# KiCad board motherboard.kicad_pcb (continued)
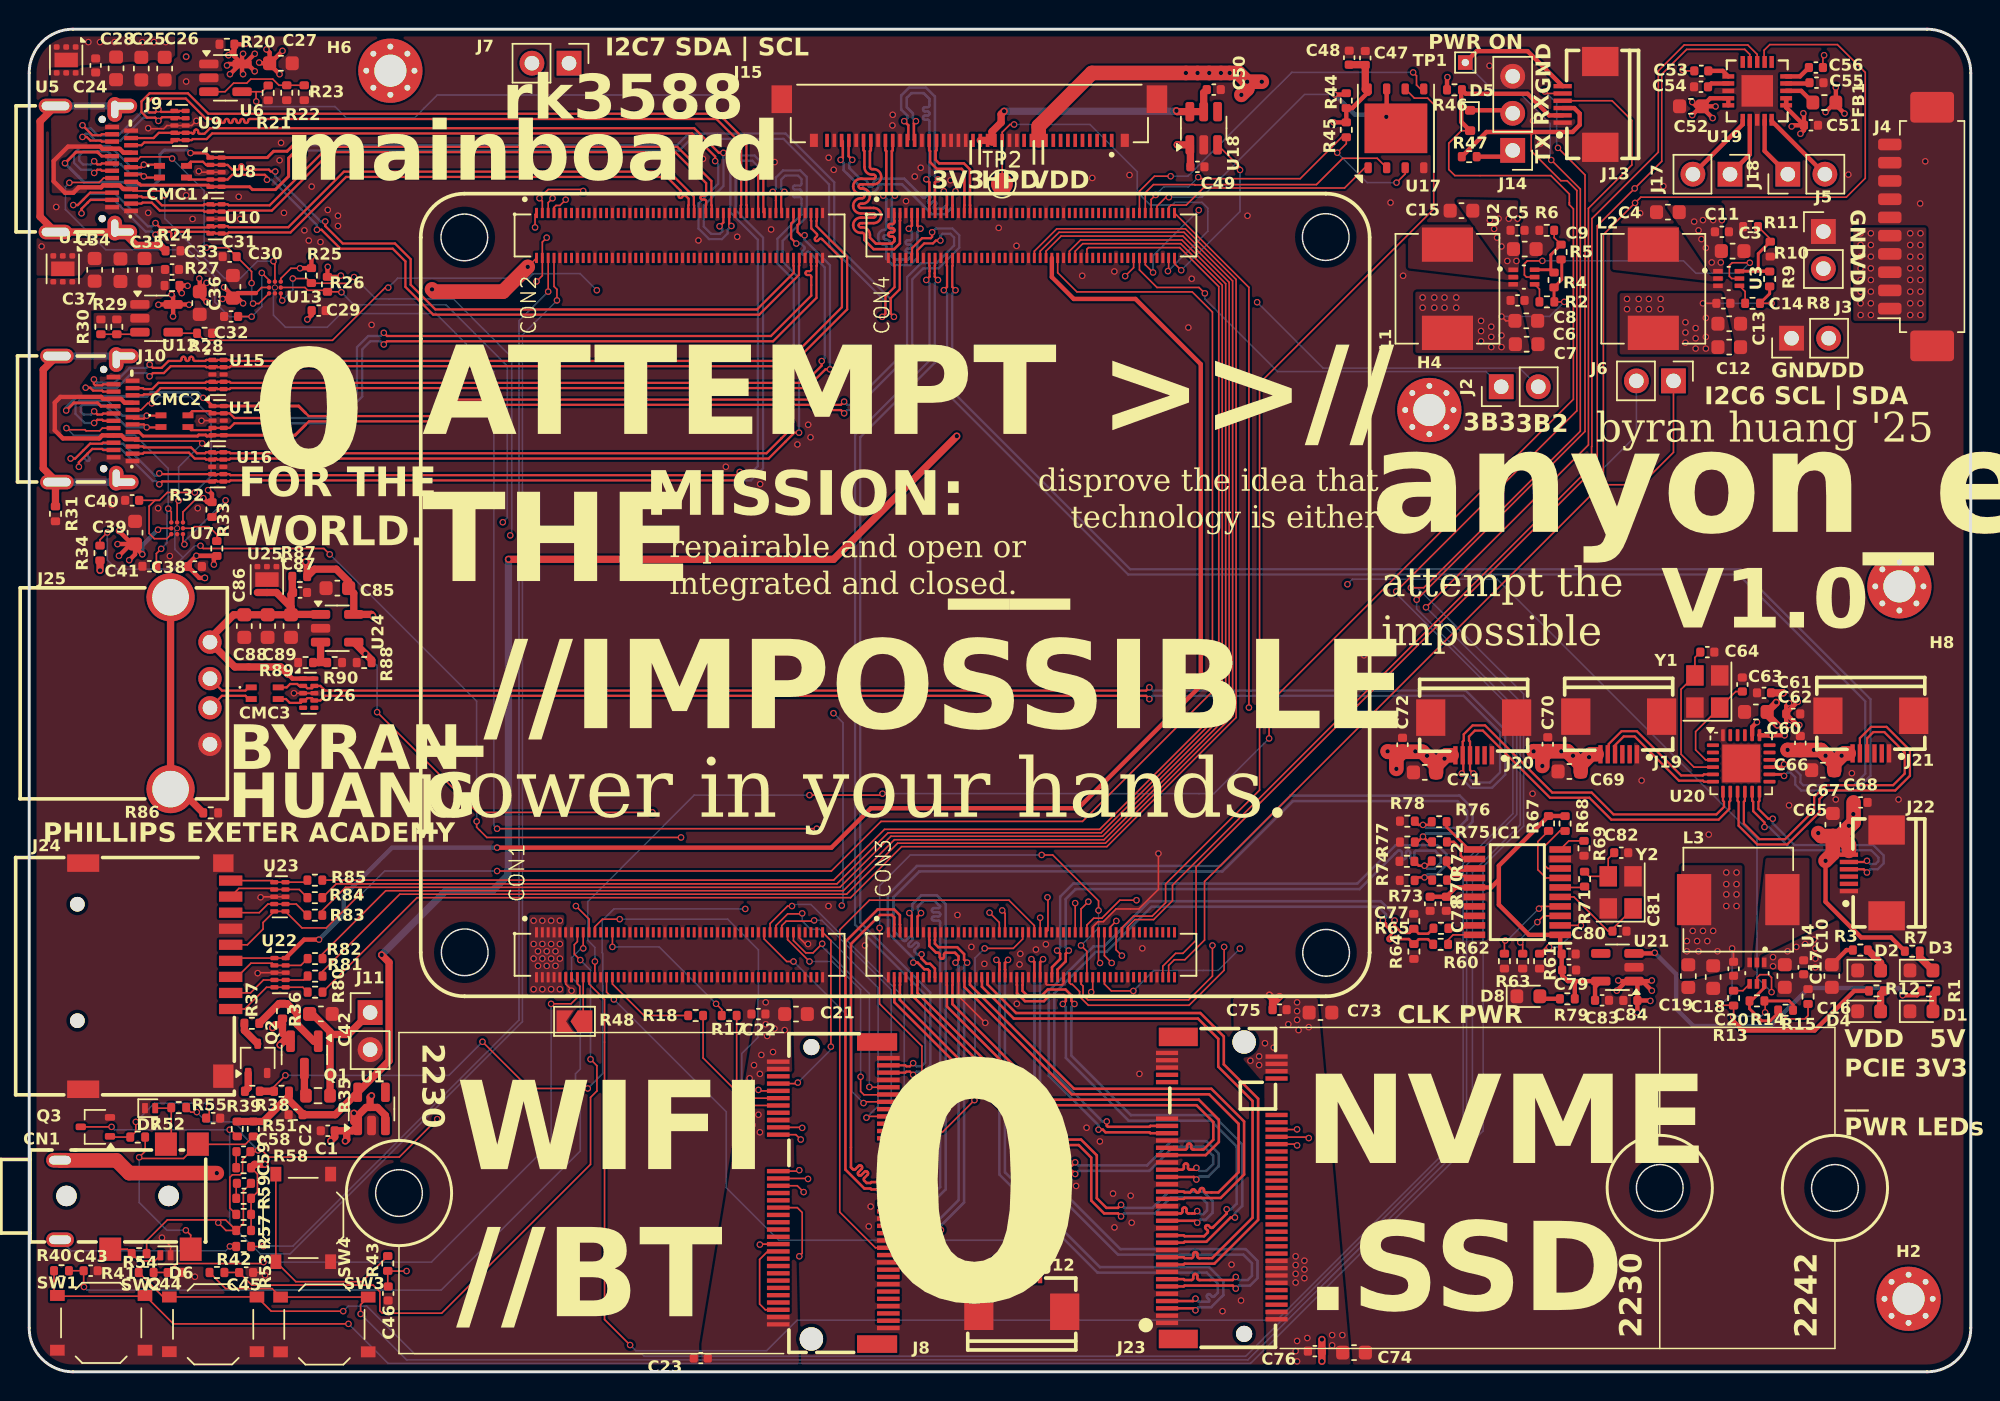
[diagram p0: board, top side]
## Library data of the parts (continued)
R3 R11 = -: Description: Resistor, small symbol; LCSC: C25779; ki_fp_filters: R_*
R4 R14 = -: Description: Resistor, small symbol; LCSC: C25897; ki_fp_filters: R_*
R5 R15 = -: Description: Resistor, small symbol; LCSC: C11616; ki_fp_filters: R_*
R9 = -: Description: Resistor, small symbol; LCSC: C25767; ki_fp_filters: R_*
R10 = -: Description: Resistor, small symbol; LCSC: C25778; ki_fp_filters: R_*
R17-R48 R50-R78 R80-R90 = -: Description: Resistor, small symbol; ki_fp_filters: R_*
SW1-SW4 = -: Description: Single Pole Single Throw (SPST) switch
TP1 TP2 = -: Description: test point; ki_fp_filters: Pin* Test*
U1 = -: LCSC: C27416; ki_fp_filters: SOT-23-5_RIT SOT-23-5_RIT-M SOT-23-5_RIT-L
U2-U4 = -: MF: Texas Instruments; MAXIMUM_PACKAGE_HEIGHT: 0.60mm; Package: SOT-5X3-6 Texas Instruments; Price: None; Check_prices: https://www.snapeda.com/parts/TPS564257DRLR/Texas+Instruments/view-part/?ref=eda; STANDARD: IPC-7351B; PARTREV: A; SnapEDA_Link: https://www.snapeda.com/parts/TPS564257DRLR/Texas+Instruments/view-part/?ref=snap; Purchase-URL: https://www.snapeda.com/api/url_track_click_mouser/?unipart_id=13767088&manufacturer=Texas Instruments&part_name=TPS564257DRLR&search_term=tps564257; Description_1: 3-V to 17-V input voltage, 4-A FCCM mode, synchronous buck converter; Availability: In Stock; MANUFACTURER: Texas Instruments; LCSC: C19272233
U5 U11 U25 = -: Datasheet: http://www.ti.com/lit/ds/symlink/tvs2200.pdf; Description: Flat-Clamp Surge Protection Device. 22Vrwm, WSON-6; ki_fp_filters: WSON*1EP*2x2mm*P0.65mm*EP1x1.6mm*
U6 U12 U24 = -: Datasheet: https://wmsc.lcsc.com/wmsc/upload/file/pdf/v2/lcsc/1810121532_Silergy-Corp-SY6280AAC_C55136.pdf; Description: Low Loss Power Distribution Switch
U7 U13 = -: ki_fp_filters: WLCSP9_1P2X1P2_ONS
U8-U10 U14-U16 U22 U23 U26 = -: Datasheet: http://www.ti.com/lit/ds/symlink/tpd2eusb30a.pdf; Description: 4-Channel ESD Protection for Super-Speed USB 3.0 Interface, USON-10; ki_fp_filters: USON*2.5x1.0mm*P0.5mm*
U17 = -: Datasheet: https://www.adestotech.com/wp-content/uploads/DS-AT25SF081_045.pdf; Description: 8-Mbit, 2.3V Minimum SPI Serial Flash Memory with Dual-I/O and Quad-I/O Support, SOIC-8; ki_fp_filters: SOIC?8*3.9x4.9mm*P1.27mm*
U18 = -: Datasheet: http://www.ti.com/lit/ds/symlink/tps22917.pdf; Description: 1V to 5.5V, 2A, 80mΩ Ultra-Low Leakage Load Switch, SOT23-6; ki_fp_filters: SOT?23*
U19 = -: MF: Texas Instruments; Description_1: 2.8-W, stereo, analog input Class-D audio amp with auto. gain control & dynamic range compression; PACKAGE: QFN-20; Price: None; Package: WQFN-20 Texas Instruments; OC_FARNELL: -; SnapEDA_Link: https://www.snapeda.com/parts/TPA2016D2RTJR/Texas+Instruments/view-part/?ref=snap; SUPPLIER: Texas Instrument; OC_NEWARK: 50R8080; Availability: In Stock; Check_prices: https://www.snapeda.com/parts/TPA2016D2RTJR/Texas+Instruments/view-part/?ref=eda
U21 = -: Datasheet: https://www.diodes.com/assets/Datasheets/AP2127.pdf; Description: 300mA low dropout linear regulator, shutdown pin, 2.5V-6V input voltage, 3.3V fixed positive output, SOT-23-5; ki_fp_filters: SOT?23?5*
Y1 Y2 = -: Description: Four pin crystal, GND on pins 2 and 4, small symbol; ki_fp_filters: Crystal*

## Footprints (pads in the part's own frame, mm; a bottom-side part is the same pattern mirrored in y, then rotated)
AUDIO-SMD_PJ-332A-6A
  round 1.4 hole 1.4: (-4.28,0.05) (2.72,0.05)
  oval 1.9x1 hole 1.5x0.6: 1(-4.72,-2.95) 2(-4.72,2.5)
  rect 1.5x1.6 smd: 3(-1.28,-3.6) 4(2.53,3.6) 5(4.23,-3.6) 6(4.72,3.6)
C_0402_1005Metric
  rrect 0.56x0.62 smd: 1(-0.48,0) 2(0.48,0)
C_0603_1608Metric
  rrect 0.9x0.95 smd: 1(-0.775,0) 2(0.775,0)
CM3588
  rect 0.7x0.2 smd: 1(-22.884,21.851) 2(-25.964,21.851) 3(-22.884,21.451) 4(-25.964,21.451) 5(-22.884,21.051) 6(-25.964,21.051) 7(-22.884,20.651) 8(-25.964,20.651) 9(-22.884,20.251) 10(-25.964,20.251) 11(-22.884,19.851) 12(-25.964,19.851) 13(-22.884,19.451) 14(-25.964,19.451) 15(-22.884,19.051) 16(-25.964,19.051) 17(-22.884,18.651) 18(-25.964,18.651) 19(-22.884,18.251) 20(-25.964,18.251) 21(-22.884,17.851) 22(-25.964,17.851) 23(-22.884,17.451) 24(-25.964,17.451) 25(-22.884,17.051) 26(-25.964,17.051) 27(-22.884,16.651) 28(-25.964,16.651) 29(-22.884,16.251) 30(-25.964,16.251) 31(-22.884,15.851) 32(-25.964,15.851) 33(-22.884,15.451) 34(-25.964,15.451) 35(-22.884,15.051) 36(-25.964,15.051) 37(-22.884,14.651) 38(-25.964,14.651) 39(-22.884,14.251) 40(-25.964,14.251) 41(-22.884,13.851) 42(-25.964,13.851) 43(-22.884,13.451) 44(-25.964,13.451) 45(-22.884,13.051) 46(-25.964,13.051) 47(-22.884,12.651) 48(-25.964,12.651) 49(-22.884,12.251) 50(-25.964,12.251) 51(-22.884,11.851) 52(-25.964,11.851) 53(-22.884,11.451) 54(-25.964,11.451) 55(-22.884,11.051) 56(-25.964,11.051) 57(-22.884,10.651) 58(-25.964,10.651) 59(-22.884,10.251) 60(-25.964,10.251) 61(-22.884,9.851) 62(-25.964,9.851) 63(-22.884,9.451) 64(-25.964,9.451) 65(-22.884,9.051) 66(-25.964,9.051) 67(-22.884,8.651) 68(-25.964,8.651) 69(-22.884,8.251) 70(-25.964,8.251) 71(-22.884,7.851) 72(-25.964,7.851) 73(-22.884,7.451) 74(-25.964,7.451) 75(-22.884,7.051) 76(-25.964,7.051) 77(-22.884,6.651) 78(-25.964,6.651) 79(-22.884,6.251) 80(-25.964,6.251) 81(-22.884,5.851) 82(-25.964,5.851) 83(-22.884,5.451) 84(-25.964,5.451) 85(-22.884,5.051) 86(-25.964,5.051) 87(-22.884,4.651) 88(-25.964,4.651) 89(-22.884,4.251) 90(-25.964,4.251) 91(-22.884,3.851) 92(-25.964,3.851) 93(-22.884,3.451) 94(-25.964,3.451) 95(-22.884,3.051) 96(-25.964,3.051) 97(-22.884,2.651) 98(-25.964,2.651) 99(-22.884,2.251) 100(-25.964,2.251) 101(26.406,21.851) 102(23.326,21.851) 103(26.406,21.451) 104(23.326,21.451) 105(26.406,21.051) 106(23.326,21.051) 107(26.406,20.651) 108(23.326,20.651) 109(26.406,20.251) 110(23.326,20.251) 111(26.406,19.851) 112(23.326,19.851) 113(26.406,19.451) 114(23.326,19.451) 115(26.406,19.051) 116(23.326,19.051) 117(26.406,18.651) 118(23.326,18.651) 119(26.406,18.251) 120(23.326,18.251) 121(26.406,17.851) 122(23.326,17.851) 123(26.406,17.451) 124(23.326,17.451) 125(26.406,17.051) 126(23.326,17.051) 127(26.406,16.651) 128(23.326,16.651) 129(26.406,16.251) 130(23.326,16.251) 131(26.406,15.851) 132(23.326,15.851) 133(26.406,15.451) 134(23.326,15.451) 135(26.406,15.051) 136(23.326,15.051) 137(26.406,14.651) 138(23.326,14.651) 139(26.406,14.251) 140(23.326,14.251) 141(26.406,13.851) 142(23.326,13.851) 143(26.406,13.451) 144(23.326,13.451) 145(26.406,13.051) 146(23.326,13.051) 147(26.406,12.651) 148(23.326,12.651) 149(26.406,12.251) 150(23.326,12.251) 151(26.406,11.851) 152(23.326,11.851) 153(26.406,11.451) 154(23.326,11.451) 155(26.406,11.051) 156(23.326,11.051) 157(26.406,10.651) 158(23.326,10.651) 159(26.406,10.251) 160(23.326,10.251) 161(26.406,9.851) 162(23.326,9.851) 163(26.406,9.451) 164(23.326,9.451) 165(26.406,9.051) 166(23.326,9.051) 167(26.406,8.651) 168(23.326,8.651) 169(26.406,8.251) 170(23.326,8.251) 171(26.406,7.851) 172(23.326,7.851) 173(26.406,7.451) 174(23.326,7.451) 175(26.406,7.051) 176(23.326,7.051) 177(26.406,6.651) 178(23.326,6.651) 179(26.406,6.251) 180(23.326,6.251) 181(26.406,5.851) 182(23.326,5.851) 183(26.406,5.451) 184(23.326,5.451) 185(26.406,5.051) 186(23.326,5.051) 187(26.406,4.651) 188(23.326,4.651) 189(26.406,4.251) 190(23.326,4.251) 191(26.406,3.851) 192(23.326,3.851) 193(26.406,3.451) 194(23.326,3.451) 195(26.406,3.051) 196(23.326,3.051) 197(26.406,2.651) 198(23.326,2.651) 199(26.406,2.251) 200(23.326,2.251) 201(-22.884,-2.251) 202(-25.964,-2.251) 203(-22.884,-2.651) 204(-25.964,-2.651) 205(-22.884,-3.051) 206(-25.964,-3.051) 207(-22.884,-3.451) 208(-25.964,-3.451) 209(-22.884,-3.851) 210(-25.964,-3.851) 211(-22.884,-4.251) 212(-25.964,-4.251) 213(-22.884,-4.651) 214(-25.964,-4.651) 215(-22.884,-5.051) 216(-25.964,-5.051) 217(-22.884,-5.451) 218(-25.964,-5.451) 219(-22.884,-5.851) 220(-25.964,-5.851) 221(-22.884,-6.251) 222(-25.964,-6.251) 223(-22.884,-6.651) 224(-25.964,-6.651) 225(-22.884,-7.051) 226(-25.964,-7.051) 227(-22.884,-7.451) 228(-25.964,-7.451) 229(-22.884,-7.851) 230(-25.964,-7.851) 231(-22.884,-8.251) 232(-25.964,-8.251) 233(-22.884,-8.651) 234(-25.964,-8.651) 235(-22.884,-9.051) 236(-25.964,-9.051) 237(-22.884,-9.451) 238(-25.964,-9.451) 239(-22.884,-9.851) 240(-25.964,-9.851) 241(-22.884,-10.251) 242(-25.964,-10.251) 243(-22.884,-10.651) 244(-25.964,-10.651) 245(-22.884,-11.051) 246(-25.964,-11.051) 247(-22.884,-11.451) 248(-25.964,-11.451) 249(-22.884,-11.851) 250(-25.964,-11.851) 251(-22.884,-12.251) 252(-25.964,-12.251) 253(-22.884,-12.651) 254(-25.964,-12.651) 255(-22.884,-13.051) 256(-25.964,-13.051) 257(-22.884,-13.451) 258(-25.964,-13.451) 259(-22.884,-13.851) 260(-25.964,-13.851) 261(-22.884,-14.251) 262(-25.964,-14.251) 263(-22.884,-14.651) 264(-25.964,-14.651) 265(-22.884,-15.051) 266(-25.964,-15.051) 267(-22.884,-15.451) 268(-25.964,-15.451) 269(-22.884,-15.851) 270(-25.964,-15.851) 271(-22.884,-16.251) 272(-25.964,-16.251) 273(-22.884,-16.651) 274(-25.964,-16.651) 275(-22.884,-17.051) 276(-25.964,-17.051) 277(-22.884,-17.451) 278(-25.964,-17.451) 279(-22.884,-17.851) 280(-25.964,-17.851) 281(-22.884,-18.251) 282(-25.964,-18.251) 283(-22.884,-18.651) 284(-25.964,-18.651) 285(-22.884,-19.051) 286(-25.964,-19.051) 287(-22.884,-19.451) 288(-25.964,-19.451) 289(-22.884,-19.851) 290(-25.964,-19.851) 291(-22.884,-20.251) 292(-25.964,-20.251) 293(-22.884,-20.651) 294(-25.964,-20.651) 295(-22.884,-21.051) 296(-25.964,-21.051) 297(-22.884,-21.451) 298(-25.964,-21.451) 299(-22.884,-21.851) 300(-25.964,-21.851) 301(26.406,-2.251) 302(23.326,-2.251) 303(26.406,-2.651) 304(23.326,-2.651) 305(26.406,-3.051) 306(23.326,-3.051) 307(26.406,-3.451) 308(23.326,-3.451) 309(26.406,-3.851) 310(23.326,-3.851) 311(26.406,-4.251) 312(23.326,-4.251) 313(26.406,-4.651) 314(23.326,-4.651) 315(26.406,-5.051) 316(23.326,-5.051) 317(26.406,-5.451) 318(23.326,-5.451) 319(26.406,-5.851) 320(23.326,-5.851) 321(26.406,-6.251) 322(23.326,-6.251) 323(26.406,-6.651) 324(23.326,-6.651) 325(26.406,-7.051) 326(23.326,-7.051) 327(26.406,-7.451) 328(23.326,-7.451) 329(26.406,-7.851) 330(23.326,-7.851) 331(26.406,-8.251) 332(23.326,-8.251) 333(26.406,-8.651) 334(23.326,-8.651) 335(26.406,-9.051) 336(23.326,-9.051) 337(26.406,-9.451) 338(23.326,-9.451) 339(26.406,-9.851) 340(23.326,-9.851) 341(26.406,-10.251) 342(23.326,-10.251) 343(26.406,-10.651) 344(23.326,-10.651) 345(26.406,-11.051) 346(23.326,-11.051) 347(26.406,-11.451) 348(23.326,-11.451) 349(26.406,-11.851) 350(23.326,-11.851) 351(26.406,-12.251) 352(23.326,-12.251) 353(26.406,-12.651) 354(23.326,-12.651) 355(26.406,-13.051) 356(23.326,-13.051) 357(26.406,-13.451) 358(23.326,-13.451) 359(26.406,-13.851) 360(23.326,-13.851) 361(26.406,-14.251) 362(23.326,-14.251) 363(26.406,-14.651) 364(23.326,-14.651) 365(26.406,-15.051) 366(23.326,-15.051) 367(26.406,-15.451) 368(23.326,-15.451) 369(26.406,-15.851) 370(23.326,-15.851) 371(26.406,-16.251) 372(23.326,-16.251) 373(26.406,-16.651) 374(23.326,-16.651) 375(26.406,-17.051) 376(23.326,-17.051) 377(26.406,-17.451) 378(23.326,-17.451) 379(26.406,-17.851) 380(23.326,-17.851) 381(26.406,-18.251) 382(23.326,-18.251) 383(26.406,-18.651) 384(23.326,-18.651) 385(26.406,-19.051) 386(23.326,-19.051) 387(26.406,-19.451) 388(23.326,-19.451) 389(26.406,-19.851) 390(23.326,-19.851) 391(26.406,-20.251) 392(23.326,-20.251) 393(26.406,-20.651) 394(23.326,-20.651) 395(26.406,-21.051) 396(23.326,-21.051) 397(26.406,-21.451) 398(23.326,-21.451) 399(26.406,-21.851) 400(23.326,-21.851)
CONN-SMD_APCI0147-P001A
  round 1.1 hole 1.1: (-10,-1.5)
  round 1.6 hole 1.6: (10,-1.5)
  rect 0.3x1.55 smd: 1(-9.25,3.77) 2(-9,-3.77) 3(-8.75,3.77) 4(-8.5,-3.77) 5(-8.25,3.77) 6(-8,-3.77) 7(-7.75,3.77) 8(-7.5,-3.77) 9(-7.25,3.77) 10(-7,-3.77) 11(-6.75,3.77) 12(-6.5,-3.77) 13(-6.25,3.77) 14(-6,-3.77) 15(-5.75,3.77) 16(-5.5,-3.77) 17(-5.25,3.77) 18(-5,-3.77) 19(-4.75,3.77) 20(-4.5,-3.77) 21(-4.25,3.77) 22(-4,-3.77) 23(-3.75,3.77) 32(-1.5,-3.77) 33(-1.25,3.77) 34(-1,-3.77) 35(-0.75,3.77) 36(-0.5,-3.77) 37(-0.25,3.77) 38(0,-3.77) 39(0.25,3.77) 40(0.5,-3.77) 41(0.75,3.77) 42(1,-3.77) 43(1.25,3.77) 44(1.5,-3.77) 45(1.75,3.77) 46(2,-3.77) 47(2.25,3.77) 48(2.5,-3.77) 49(2.75,3.77) 50(3,-3.77) 51(3.25,3.77) 52(3.5,-3.77) 53(3.75,3.77) 54(4,-3.77) 55(4.25,3.77) 56(4.5,-3.77) 57(4.75,3.77) 58(5,-3.77) 59(5.25,3.77) 60(5.5,-3.77) 61(5.75,3.77) 62(6,-3.77) 63(6.25,3.77) 64(6.5,-3.77) 65(6.75,3.77) 66(7,-3.77) 67(7.25,3.77) 68(7.5,-3.77) 69(7.75,3.77) 70(8,-3.77) 71(8.25,3.77) 72(8.5,-3.77) 73(8.75,3.77) 74(9,-3.77) 75(9.25,3.77)
  rect 1.2x2.75 smd: 76(-10.35,3) 77(10.35,3)
CONN-SMD_AS0BC21-S30BM-7H
  round 1.1 hole 1.1: (-10,-1.53)
  round 1.6 hole 1.6: (10,-1.53)
  rect 0.3x1.52 smd: 1(-9.25,3.75) 2(-9,-3.75) 3(-8.75,3.75) 4(-8.5,-3.75) 5(-8.25,3.75) 6(-8,-3.75) 7(-7.75,3.75) 8(-7.5,-3.75) 9(-7.25,3.75) 10(-7,-3.75) 11(-6.75,3.75) 12(-6.5,-3.75) 13(-6.25,3.75) 14(-6,-3.75) 15(-5.75,3.75) 16(-5.5,-3.75) 17(-5.25,3.75) 18(-5,-3.75) 19(-4.75,3.75) 20(-4.5,-3.75) 21(-4.25,3.75) 22(-4,-3.75) 23(-3.75,3.75) 24(-3.5,-3.75) 25(-3.25,3.75) 26(-3,-3.75) 27(-2.75,3.75) 28(-2.5,-3.75) 29(-2.25,3.75) 30(-2,-3.75) 31(-1.75,3.75) 32(-1.5,-3.75) 33(-1.25,3.75) 34(-1,-3.75) 35(-0.75,3.75) 36(-0.5,-3.75) 37(-0.25,3.75) 38(0,-3.75) 39(0.25,3.75) 40(0.5,-3.75) 41(0.75,3.75) 42(1,-3.75) 43(1.25,3.75) 44(1.5,-3.75) 45(1.75,3.75) 46(2,-3.75) 47(2.25,3.75) 48(2.5,-3.75) 49(2.75,3.75) 50(3,-3.75) 51(3.25,3.75) 52(3.5,-3.75) 53(3.75,3.75) 54(4,-3.75) 55(4.25,3.75) 56(4.5,-3.75) 57(4.75,3.75) 58(5,-3.75) 67(7.25,3.75) 68(7.5,-3.75) 69(7.75,3.75) 70(8,-3.75) 71(8.25,3.75) 72(8.5,-3.75) 73(8.75,3.75) 74(9,-3.75) 75(9.25,3.75)
  rect 1.27x2.67 smd: 76(10.35,2.98) 77(-10.35,2.98)
Crystal_SMD_3225-4Pin_3.2x2.5mm
  rect 1.4x1.2 smd: 1(-1.1,-0.85) 2(1.1,-0.85) 3(1.1,0.85) 4(-1.1,0.85)
D_SOD-523
  rrect 0.6x0.7 smd: 1(-0.7,0) 2(0.7,0)
D_SOD-882
  rrect 0.3x0.6 smd: (-0.35,0) (0.35,0)
  rrect 0.4x0.7 smd: 1(-0.35,0) 2(0.35,0)
FIL_ACM2012-900-2P-T001
  rect 0.75x0.4 smd: 1(-0.925,0.4) 2(-0.925,-0.4) 3(0.925,-0.4) 4(0.925,0.4)
FPC-SMD_6P-P0.50_XUNPU_FPC-05F-6PH20
  rect 0.3x1.25 smd: 1(-1.25,1.29) 2(-0.75,1.29) 3(-0.25,1.29) 4(0.25,1.29) 5(0.75,1.29) 6(1.25,1.29)
  rect 2x2.5 smd: MP(-2.94,-1.29) MP(2.94,-1.29)
IPEX_20455-040E-76
  rect 0.25x0.9 smd: 1(-9.75,1.92) 2(-9.25,1.92) 3(-8.75,1.92) 4(-8.25,1.92) 5(-7.75,1.92) 6(-7.25,1.92) 7(-6.75,1.92) 8(-6.25,1.92) 9(-5.75,1.92) 10(-5.25,1.92) 11(-4.75,1.92) 12(-4.25,1.92) 13(-3.75,1.92) 14(-3.25,1.92) 15(-2.75,1.92) 16(-2.25,1.92) 17(-1.75,1.92) 18(-1.25,1.92) 19(-0.75,1.92) 20(-0.25,1.92) 21(0.25,1.92) 22(0.75,1.92) 23(1.25,1.92) 24(1.75,1.92) 25(2.25,1.92) 26(2.75,1.92) 27(3.25,1.92) 28(3.75,1.92) 29(4.25,1.92) 30(4.75,1.92) 31(5.25,1.92) 32(5.75,1.92) 33(6.25,1.92) 34(6.75,1.92) 35(7.25,1.92) 36(7.75,1.92) 37(8.25,1.92) 38(8.75,1.92) 39(9.25,1.92) 40(9.75,1.92)
  rect 0.55x0.9 smd: S1(-10.65,1.92) S3(10.65,1.92)
  rect 1.4x1.9 smd: S2(-12.85,-0.9) S4(12.85,-0.9)
L_0603_1608Metric
  rrect 0.875x0.95 smd: 1(-0.787,0) 2(0.787,0)
L_Sunlord_MWSA0603S
  rect 2.35x3.5 smd: 1(-3.025,0) 2(3.025,0)
LED_0603_1608Metric
  rrect 0.875x0.95 smd: 1(-0.787,0) 2(0.787,0)
Molex_PicoBlade_53261-1071_1x10-1MP_P1.25mm_Horizontal
  rrect 0.8x1.6 smd: 1(-5.625,2.4) 2(-4.375,2.4) 3(-3.125,2.4) 4(-1.875,2.4) 5(-0.625,2.4) 6(0.625,2.4) 7(1.875,2.4) 8(3.125,2.4) 9(4.375,2.4) 10(5.625,2.4)
  rrect 2.1x3 smd: MP(-8.175,-0.5) MP(8.175,-0.5)
MountingHole_2.2mm_M2_Pad_Via
  round 0.7 hole 0.4: 1(-1.65,0) 1(-1.167,1.167) 1(-1.167,-1.167) 1(0,1.65) 1(0,-1.65) 1(1.167,1.167) 1(1.167,-1.167) 1(1.65,0)
  round 4.4 hole 2.2: 1(0,0)
PinHeader_1x02_P2.54mm_Vertical
  rect 1.7x1.7 hole 1: 1(0,0)
  oval 1.7x1.7 hole 1: 2(0,-2.54)
PinHeader_1x03_P2.54mm_Vertical
  rect 1.7x1.7 hole 1: 1(0,0)
  oval 1.7x1.7 hole 1: 2(0,-2.54) 3(0,-5.08)
QFN50P400X400X80-21N
  rect 0.813x0.305 smd: 1(-1.981,0.991) 2(-1.981,0.508) 3(-1.981,0) 4(-1.981,-0.508) 5(-1.981,-0.991) 11(1.981,-0.991) 12(1.981,-0.508) 13(1.981,0) 14(1.981,0.508) 15(1.981,0.991)
  rect 0.305x0.813 smd: 6(-0.991,-1.981) 7(-0.508,-1.981) 8(0,-1.981) 9(0.508,-1.981) 10(0.991,-1.981) 16(0.991,1.981) 17(0.508,1.981) 18(0,1.981) 19(-0.508,1.981) 20(-0.991,1.981)
  rect 2.159x2.159 smd: 21(0,0)
QFN-24-1EP_4x4mm_P0.5mm_EP2.6x2.6mm
  rrect 1.05x1.05 smd: (-0.65,0.65) (-0.65,-0.65) (0.65,0.65) (0.65,-0.65)
  rrect 0.825x0.25 smd: 1(-1.938,1.25) 2(-1.938,0.75) 3(-1.938,0.25) 4(-1.938,-0.25) 5(-1.938,-0.75) 6(-1.938,-1.25) 13(1.938,-1.25) 14(1.938,-0.75) 15(1.938,-0.25) 16(1.938,0.25) 17(1.938,0.75) 18(1.938,1.25)
  rrect 0.25x0.825 smd: 7(-1.25,-1.938) 8(-0.75,-1.938) 9(-0.25,-1.938) 10(0.25,-1.938) 11(0.75,-1.938) 12(1.25,-1.938) 19(1.25,1.938) 20(0.75,1.938) 21(0.25,1.938) 22(-0.25,1.938) 23(-0.75,1.938) 24(-1.25,1.938)
  rect 2.6x2.6 smd: 25(0,0)
R_0402_1005Metric
  rrect 0.54x0.64 smd: 1(-0.51,0) 2(0.51,0)
R_0603_1608Metric
  rrect 0.8x0.95 smd: 1(-0.825,0) 2(0.825,0)
SolderJumper-2_P1.3mm_Open_TrianglePad1.0x1.5mm
  custom 1.5x1.5 smd: 1(-0.725,0)
  custom 1.15x1.5 smd: 2(0.725,0)
SOP65P640X120-20N
  rect 1.475x0.45 smd: 1(-2.938,2.925) 2(-2.938,2.275) 3(-2.938,1.625) 4(-2.938,0.975) 5(-2.938,0.325) 6(-2.938,-0.325) 7(-2.938,-0.975) 8(-2.938,-1.625) 9(-2.938,-2.275) 10(-2.938,-2.925) 11(2.938,-2.925) 12(2.938,-2.275) 13(2.938,-1.625) 14(2.938,-0.975) 15(2.938,-0.325) 16(2.938,0.325) 17(2.938,0.975) 18(2.938,1.625) 19(2.938,2.275) 20(2.938,2.925)
SOT50P160X60-6N
  rrect 0.66x0.31 smd: 1(-0.735,0.5) 2(-0.735,0) 3(-0.735,-0.5) 4(0.735,-0.5) 5(0.735,0) 6(0.735,0.5)
SOT-23
  rrect 1.475x0.6 smd: 1(-0.938,0.95) 2(-0.938,-0.95) 3(0.938,0)
SOT-23-5
  rrect 1.325x0.6 smd: 1(-1.137,0.95) 2(-1.137,0) 3(-1.137,-0.95) 4(1.137,-0.95) 5(1.137,0.95)
SOT-23-6
  rrect 1.325x0.6 smd: 1(-1.137,0.95) 2(-1.137,0) 3(-1.137,-0.95) 4(1.137,-0.95) 5(1.137,0) 6(1.137,0.95)
SOT-323_SC-70
  rrect 0.7x0.45 smd: 1(-1,0.65) 2(-1,-0.65) 3(1,0)
SW_Push_1P1T_XKB_TS-1187A
  rect 1x0.75 smd: 1(-3,1.875) 1(3,1.875) 2(-3,-1.875) 2(3,-1.875)
TestPoint_Pad_D1.5mm
  round 1.5 smd: 1(0,0)
TestPoint_THTPad_1.0x1.0mm_Drill0.5mm
  rect 1x1 hole 0.5: 1(0,0)
TF-SMD_TF-CARD-H1.8
  round 1 hole 1: (-4.93,-5.45) (3.05,-5.45)
  rect 0.7x1.6 smd: 1(2.25,5.05) 2(1.15,5.05) 3(0.05,5.05) 4(-1.05,5.05) 5(-2.15,5.05) 6(-3.25,5.05) 7(-4.35,5.05) 8(-5.45,5.05) 9(-6.55,5.05)
  rect 1.2x1.4 smd: 10(-7.75,4.55)
  rect 1.2x2.2 smd: 10(-7.75,-5.05) 10(7.75,-5.05)
  rect 1.6x1.4 smd: 10(6.85,4.55)
USB-A-TH_USB-231-ARY
  round 1.6 hole 1: 1(-3.5,1.35) 2(-1,1.35) 3(1,1.35) 4(3.5,1.35)
  round 3.3 hole 2.5: 5(-6.57,-1.35) 5(6.57,-1.35)
USB-C-SMD_TYPE-C-24P-QT
  round 0.5 hole 0.5: (-3.4,0.61) (3.4,0.61)
  rect 0.3x0.95 smd: A1(-2.63,2.59) A2(-2.12,2.59) A3(-1.63,2.59) A4(-1.12,2.59) A5(-0.63,2.59) A6(-0.12,2.59) A7(0.37,2.59) A8(0.88,2.59) A9(1.37,2.59) A10(1.88,2.59) A11(2.37,2.59) A12(2.88,2.59) B1(2.62,1.29) B2(2.12,1.29) B3(1.62,1.29) B4(1.12,1.29) B5(0.62,1.29) B6(0.12,1.29) B7(-0.38,1.29) B8(-0.88,1.29) B9(-1.38,1.29) B10(-1.88,1.29) B11(-2.38,1.29) B12(-2.88,1.29)
  oval 1x1.95 hole 0.5x1.5: S1(-4.32,2.03) S1(4.32,2.03)
  oval 1x2.3 hole 0.6x1.9: S1(-4.32,-2.59) S1(4.32,-2.59)
  oval 1.7x1 hole 1.2x0.5: S1(-4.08,1.47) S1(4.05,1.47)
USON-10_2.5x1.0mm_P0.5mm
  rrect 0.55x0.3 smd: 1(-0.385,1) 2(-0.385,0.5) 3(-0.385,0) 4(-0.385,-0.5) 5(-0.385,-1) 6(0.385,-1) 7(0.385,-0.5) 8(0.385,0) 9(0.385,0.5) 10(0.385,1)
WLCSP9_1P2X1P2_ONS
  round 0.305 smd: A1(-0.4,0.4) A2(0,0.4) A3(0.4,0.4) B1(-0.4,0) B2(0,0) B3(0.4,0) C1(-0.4,-0.4) C2(0,-0.4) C3(0.4,-0.4)
WSON-6-1EP_2x2mm_P0.65mm_EP1x1.6mm
  rrect 0.81x0.64 smd: (0,0.4) (0,-0.4)
  rrect 0.375x0.4 smd: 1(-0.887,0.65) 2(-0.887,0) 3(-0.887,-0.65) 4(0.887,-0.65) 5(0.887,0) 6(0.887,0.65)
  rect 1x1.6 smd: 7(0,0)
WSON-8-1EP_6x5mm_P1.27mm_EP3.4x4.3mm
  rrect 1.37x1.73 smd: (-0.85,1.075) (-0.85,-1.075) (0.85,1.075) (0.85,-1.075)
  rrect 0.75x0.5 smd: 1(-2.7,1.905) 2(-2.7,0.635) 3(-2.7,-0.635) 4(-2.7,-1.905) 5(2.7,-1.905) 6(2.7,-0.635) 7(2.7,0.635) 8(2.7,1.905)
  rect 3.4x4.3 smd: 9(0,0)

## Nets
+1V8: C2.1 C47.1 C48.1 R38.1 R44.1 R45.1 R50.2 R51.2 U1.5 U17.8
+3.3V: C1.1 C6.1 C7.1 C8.1 C29.1 C38.1 C49.1 C60.1 C61.1 L1.2 R1.2 R2.2 R4.2 R5.2 R25.1 R26.1 R32.1 R33.1 R34.1 R46.2 U1.1 U1.3 U7.A3 U13.A3 U18.1 U20.20 U21.3
+3.3V_PCIE: C18.1 C19.1 C20.1 C21.1 C22.1 C23.1 C73.1 C74.1 C75.1 C76.1 J8.2 J8.4 J8.72 J8.74 J12.1 J23.2 J23.4 J23.12 J23.14 J23.16 J23.18 J23.70 J23.72 J23.74 L3.2 R12.2 R13.2 R14.2 R15.2
+5V: C12.1 C13.1 C14.1 C27.1 C30.1 C36.1 C39.1 C51.1 C52.1 C62.1 C65.1 C66.1 C67.1 C68.1 C69.1 C70.1 C71.1 C72.1 C84.1 C85.1 FB1.1 J19.6 J20.6 J21.6 J22.6 L2.2 Q1.2 R7.2 R8.2 R9.2 R20.1 R27.1 R36.1 R87.1 U6.5 U7.B1 U12.5 U13.B1 U19.4 U19.5 U19.11 U19.12 U20.19 U21.1 U24.5
/3V3_SW: L1.1 U2.2
/5V_SW: L2.1 U3.2
/eDP/VCC_3.3V: C50.1 J15.17 J15.18 J15.19 U18.5 U18.6
/Ext_USB2.0/VBUS: C86.1 C87.1 C88.1 C89.1 J25.1 R87.2 U24.1 U25.4 U25.5 U25.6 U26.1 U26.10
/PCIE3.0-MKEY/+3.3V_PI6C: C77.1 C78.1 C79.1 C80.1 C83.1 IC1.1 IC1.15 R67.1 R68.1 R79.2 U21.5
/SD Card/VDD: J1.358 J24.4 U22.1 U22.10
/USBC0/VBUS: C24.1 C25.1 C26.1 C28.1 J9.A4 J9.A9 J9.B4 J9.B9 R20.2 U5.4 U5.5 U5.6 U6.1 U13.A2
/USBC1/VBUS: C33.1 C34.1 C35.1 C37.1 J10.A4 J10.A9 J10.B4 J10.B9 R27.2 U7.A2 U11.4 U11.5 U11.6 U12.1
/VBAT_RTC: J1.300
GND: C1.2 C2.2 C3.2 C4.2 C5.2 C6.2 C7.2 C8.2 C9.2 C10.2 C11.2 C12.2 C13.2 C14.2 C15.2 C16.2 C17.2 C18.2 C19.2 C20.2 C21.2 C22.2 C23.2 C24.2 C25.2 C26.2 C27.2 C28.2 C29.2 C30.2 C31.2 C32.2 C33.2 C34.2 C35.2 C36.2 C37.2 C38.2 C39.2 C40.2 C41.2 C42.2 C43.2 C44.2 C45.2 C46.2 C47.2 C48.2 C49.2 C50.2 C51.2 C52.2 C54.1 C55.1 C57.2 C60.2 C61.2 C62.2 C63.2 C64.2 C65.2 C66.2 C67.2 C68.2 C69.2 C70.2 C71.2 C72.2 C73.2 C74.2 C75.2 C76.2 C77.2 C78.2 C79.2 C80.2 C81.2 C82.2 C83.2 C84.2 C85.2 C86.2 C87.2 C88.2 C89.2 D1.1 D2.1 D3.1 D4.1 D6.1 D7.1 D8.1 IC1.9 IC1.16 J1.11 J1.12 J1.13 J1.24 J1.33 J1.34 J1.39 J1.40 J1.45 J1.46 J1.51 J1.52 J1.57 J1.58 J1.63 J1.64 J1.69 J1.70 J1.73 J1.76 J1.77 J1.82 J1.88 J1.91 J1.94 J1.100 J1.109 J1.110 J1.115 J1.116 J1.121 J1.122 J1.127 J1.128 J1.133 J1.134 J1.139 J1.140 J1.145 J1.146 J1.151 J1.152 J1.157 J1.158 J1.163 J1.164 J1.169 J1.170 J1.175 J1.176 J1.181 J1.182 J1.187 J1.188 J1.193 J1.194 J1.199 J1.200 J1.201 J1.202 J1.207 J1.208 J1.213 J1.214 J1.219 J1.220 J1.225 J1.226 J1.231 J1.232 J1.237 J1.238 J1.244 J1.249 J1.250 J1.256 J1.259 J1.262 J1.271 J1.284 J1.285 J1.294 J1.301 J1.302 J1.307 J1.308 J1.313 J1.314 J1.319 J1.320 J1.325 J1.326 J1.331 J1.332 J1.337 J1.338 J1.343 J1.344 J1.349 J1.350 J1.355 J1.361 J1.362 J1.368 J1.380 J1.383 J1.396 J3.1 J4.6 J4.7 J4.8 J4.9 J4.10 J4.MP J5.1 J8.1 J8.7 J8.18 J8.33 J8.39 J8.45 J8.51 J8.57 J8.63 J8.69 J8.75 J9.A1 J9.A12 J9.B1 J9.B12 J10.A1 J10.A12 J10.B1 J10.B12 J11.2 J12.3 J12.MP J13.1 J13.MP J14.3 J15.14 J15.15 J15.21 J15.22 J15.23 J15.24 J15.27 J15.30 J15.33 J15.36 J15.39 J15.S1 J15.S2 J15.S3 J15.S4 J19.1 J19.MP J20.1 J20.MP J21.1 J21.MP J22.1 J22.MP J23.1 J23.3 J23.9 J23.15 J23.21 J23.27 J23.33 J23.39 J23.45 J23.51 J23.57 J23.71 J23.73 J23.75 J24.6 J24.10 J25.4 Q2.2 Q3.2 R6.1 R10.1 R11.1 R16.1 R21.2 R22.2 R23.2 R24.2 R28.2 R29.2 R30.2 R31.2 R48.2 R61.1 R63.1 R64.1 R65.1 R66.1 R69.1 R73.1 R74.1 R77.1 R78.1 R86.2 R88.2 R89.2 R90.2 SW1.2 SW2.2 SW3.2 SW4.2 U1.2 U2.3 U3.3 U4.3 U5.1 U5.2 U5.3 U5.7 U6.2 U7.C2 U8.3 U8.8 U9.3 U9.8 U10.3 U10.8 U11.1 U11.2 U11.3 U11.7 U12.2 U13.C2 U14.3 U14.8 U15.3 U15.8 U16.3 U16.8 U17.4 U18.2 U19.3 U19.8 U19.21 U20.24 U20.25 U21.2 U22.3 U22.8 U23.3 U23.8 U24.2 U25.1 U25.2 U25.3 U25.7 U26.3 U26.8 Y1.2 Y1.4 Y2.2 Y2.4
GND_AUDUO: CN1.2 J1.102 R56.1 R57.1 R58.1 R59.1
VDD: C3.1 C4.1 C5.1 C9.1 C10.1 C11.1 C15.1 C16.1 C17.1 J1.1 J1.2 J1.3 J1.4 J1.5 J1.6 J1.7 J1.8 J1.9 J1.10 J3.2 J4.1 J4.2 J4.3 J4.4 J4.5 J5.2 J15.10 J15.11 J15.12 R3.2 U2.1 U3.1 U4.1
/Audio/L_AUDIO: C53.1 C58.1 J1.104 R55.2 R56.2
/Audio/L_DET: CN1.5 CN1.6 R51.1 R52.2
/Audio/L_HP: CN1.4 D7.2 R55.1
/Audio/MIC: CN1.1 R53.1
/Audio/R_AUDIO: C56.1 C59.1 J1.103 R54.2 R57.2
/Audio/R_HP: CN1.3 D6.2 R54.1
/BOOT_SARADC_IN0: C45.1 J1.15 R42.1
/Ext_USB2.0/EXTUSB20_D3_N: CMC3.4 J20.5 U26.2 U26.9
/Ext_USB2.0/EXTUSB20_D3_P: CMC3.3 J20.4 U26.4 U26.7
/Ext_USB2.0/USB_N: CMC3.1 J25.2
/Ext_USB2.0/USB_P: CMC3.2 J25.3
/GPIO0_A4/SDMMC_DET_L: J1.370 R85.1
/GPIO0_B2: J1.247 J8.21
/GPIO0_C4/UART0_RX_M0: J1.270 R19.1
/GPIO0_C5/UART0_TX_M0/PWM4_M0: J1.272 J8.20
/GPIO0_C6/PWM5_M1: J1.274
/GPIO0_D3/CC_INT_L: J1.264 U13.B2
/GPIO0_D4/PWM3_IR_M0: J1.266
/GPIO0_D5: J1.268 R34.2 U7.B2
/GPIO1_A0/UART6_RX_M1: J1.273 J8.22
/GPIO1_A1/UART6_TX_M1: J1.275 J8.32
/GPIO1_A2/I2C4_SDA_M3_TP: J1.277 J8.36
/GPIO1_A3/I2C4_SCL_M3_TP: J1.279 J8.34
/GPIO1_A4: J1.281 U17.6
/GPIO1_A7: J1.283 U19.18
/GPIO1_B0: J1.276 R88.1 U24.4
/GPIO1_B1/SPI0_MISO_M2: J1.278
/GPIO1_B2/SPI0_MOSI_M2/UART4_RX_M2: J1.280
/GPIO1_B3/SPI0_CLK_M2/UART4_TX_M2: J1.282
/GPIO1_B4/SPI0_CS0_M2/UART7_RX_M2: J1.290
/GPIO1_B5/SPI0_CS1_M0/UART7_TX_M2: J1.292
/GPIO1_B6/MIPI_CAM1_CLKOUT: J1.71
/GPIO1_B7/MIPI_CAM2_CLKOUT: J1.75
/GPIO1_C0/I2C3_SDA_M0: J1.245
/GPIO1_C1/I2C3_SCL_M0: J1.243
/GPIO1_C4/HP_DET_L: J1.108 Q3.3 R50.1
/GPIO1_D2/TYPEC5V_PWREN_H: J1.239 R21.1 U6.4
/GPIO1_D3/PWM1_M1: J1.241 R38.2 R39.1
/GPIO1_D5/HDMIIRX_DET_L: J1.299
/GPIO1_D6/I2C8_SCL_M2: J1.286
/GPIO1_D7/I2C8_SDA_M2: J1.288
/GPIO2_A6: J1.79 J8.13
/GPIO2_A7: J1.81 J8.15
/GPIO2_B0: J1.83 J8.17
/GPIO2_B1: J1.85 J8.19
/GPIO2_B2: J1.87 J8.11
/GPIO2_B3: J1.89 J8.9
/GPIO2_B4: J1.93
/GPIO2_B5: J1.95
/GPIO2_B6: J1.97
/GPIO2_B7: J1.99 J8.8
/GPIO2_C0: J1.21 J8.10
/GPIO2_C1/MIPI_CAM2_RESET_L: J1.23
/GPIO2_C2/MIPI_CAM2_PDN_L: J1.25
/GPIO2_C3: J1.27 R17.2
/GPIO2_C4: J1.29
/GPIO2_C6: J1.31
/GPIO3_A0/SPI4_MISO_M1/PWM10_M0: J1.387 U17.5
/GPIO3_A1/SPI4_MOSI_M1: J1.389 U17.2
/GPIO3_A2/SPI4_CLK_M1/UART8_TX_M1: J1.391 R45.2 U17.3
/GPIO3_A3/SPI4_CS0_M1/UART8_RX_M1: J1.393 R44.2 U17.7
/GPIO3_A4/SPI4_CS1_M1: J1.395
/GPIO3_A5: J1.397 U17.1
/GPIO3_A6/LCD_RST: J1.399 J8.42
/GPIO3_A7: J1.400 U18.3
/GPIO3_B0/PWM9_M0: J1.382
/GPIO3_B1/PWM2_M1/LCD_BL: J1.384
/GPIO3_B2: J1.386 J2.2
/GPIO3_B3: J1.388 J2.1
/GPIO3_B4: J1.390 R28.1 U12.4
/GPIO3_B5/UART3_TX_M1/PWM12_M0: J1.392
/GPIO3_B6/UART3_RX_M1/PWM13_M0: J1.394
/GPIO3_B7: J1.398 J15.16 TP2.1
/GPIO3_C0/TP_INT_L: J1.287
/GPIO3_C1/TP_RST_L: J1.289
/GPIO3_C2/PWM14_M0: J1.291
/GPIO3_C3/PWM15_IR_M0: J1.293
/GPIO3_C7/I2C5_SCL_M0_TP: J1.381
/GPIO3_D0/I2C5_SDA_M0_TP: J1.379
/GPIO3_D5/PWM11_M3/LCD_2_BL: J1.385
/GPIO4_A0/TP_2_INT_L: J1.251 J8.53
/GPIO4_A1/TP_2_RST_L: J1.253 J8.55
/GPIO4_A2: J1.255 J8.52
/GPIO4_A3/LCD_2_RST: J1.257
/GPIO4_B0/USB_HOST_PWREN_H: J1.261
/GPIO4_B3: J1.263
/GPIO4_B4/PCIE30X4_CLKREQn_M1_L: J1.265 J23.52
/GPIO4_B5/PCIE30X4_WAKEn_M1_L: J1.267 J23.54
/GPIO4_B6/PCIE30X4_PERSTn_M1_L: J1.269 J23.50
/GPIO4_C2: J1.26 J12.2
/GPIO4_C3: J1.28 R18.2
/GPIO4_C4/MIPI_CAM1_RESET_L: J1.30
/GPIO4_C5/MIPI_CAM1_PDN_L: J1.32
/HDMI0_TX0N: J1.347
/HDMI0_TX0P: J1.345
/HDMI0_TX1N: J1.341
/HDMI0_TX1P: J1.339
/HDMI0_TX2N: J1.335
/HDMI0_TX2P: J1.333
/HDMI0_TX3N: J1.353
/HDMI0_TX3P: J1.351
/HDMI0_TX_ON_H: J1.369
/HDMI0_TX_SBDN: J1.359
/HDMI0_TX_SBDP: J1.357
/HDMI1_TX0N: J1.317 J15.29
/HDMI1_TX0P: J1.315 J15.28
/HDMI1_TX1N: J1.311 J15.32
/HDMI1_TX1P: J1.309 J15.31
/HDMI1_TX2N: J1.305 J15.35
/HDMI1_TX2P: J1.303 J15.34
/HDMI1_TX3N: J1.323 J15.38
/HDMI1_TX3P: J1.321 J15.37
/HDMI1_TX_ON_H: J1.377
/HDMI1_TX_SBDN: J1.329 J15.25
/HDMI1_TX_SBDP: J1.327 J15.26
/HDMI_RX_CEC: J1.376
/HDMI_RX_CLKN: J1.348
/HDMI_RX_CLKP: J1.346
/HDMI_RX_D0N: J1.342
/HDMI_RX_D0P: J1.340
/HDMI_RX_D1N: J1.336
/HDMI_RX_D1P: J1.334
/HDMI_RX_D2N: J1.330
/HDMI_RX_D2P: J1.328
/HDMI_RX_SCL_M1: J1.372
/HDMI_RX_SDA_M1: J1.374
/HDMIIRX_HPDOUT_H: J1.378
/HDMITX0_CEC_M0: J1.367
/HDMITX0_HPDIN_M0: J1.295
/HDMITX0_SCL_M0: J1.363
/HDMITX0_SDA_M0: J1.365
/HDMITX1_CEC_M2: J1.375
/HDMITX1_HPDIN_M0: J1.297
/HDMITX1_SCL_M1: J1.371
/HDMITX1_SDA_M1: J1.373
/I2C6_SCL_M0: J1.296 J6.2 R26.2 U13.B3 U19.19
/I2C6_SDA_M0: J1.298 J6.1 R25.2 U13.C3 U19.17
/I2C7_SCL_M0: J1.107 J7.1 R33.2 U7.B3
/I2C7_SDA_M0: J1.105 J7.2 R32.2 U7.C3
/LED2_25GLAN_1GLED: J1.74
/LED3_25GLAN_25GLED: J1.72
/MIC_IN: J1.106 R53.2
/P25G_MDIN0: J1.80
/P25G_MDIN1: J1.86
/P25G_MDIN2: J1.92
/P25G_MDIN3: J1.98
/P25G_MDIP0: J1.78
/P25G_MDIP1: J1.84
/P25G_MDIP2: J1.90
/P25G_MDIP3: J1.96
/PCIE2.0-EKEY/GPIO3_D5/PWM11_M3/LCD_2_BL: J8.54 J8.70
/PCIE2.0-EKEY/GPIO4_C4/MIPI_CAM1_RESET_L: J8.56
/PCIE3.0-MKEY/CLK2N: IC1.13 R72.1
/PCIE3.0-MKEY/CLK2P: IC1.14 R70.1
/PCIE3.0-MKEY/CLK3N: IC1.11 R76.1
/PCIE3.0-MKEY/CLK3P: IC1.12 R75.1
/PCIE3.0-MKEY/PCIE30_REFCLK_A_N: J23.53 R62.2 R65.2
/PCIE3.0-MKEY/PCIE30_REFCLK_A_P: J23.55 R60.2 R64.2
/PCIE3.0-MKEY/X1: C81.1 IC1.5 Y2.1
/PCIE3.0-MKEY/X2: IC1.6 R71.1
/PCIE20_1_REFCLKN: J1.217 J8.49
/PCIE20_1_REFCLKP: J1.215 J8.47
/PCIE20_1_RXN: J1.211 J8.41
/PCIE20_1_RXP: J1.209 J8.43
/PCIE20_1_TXN: J1.205 J8.37
/PCIE20_1_TXP: J1.203 J8.35
/PCIE20_2_REFCLKN: J1.229
/PCIE20_2_REFCLKP: J1.227
/PCIE20_2_RXN: J1.223
/PCIE20_2_RXP: J1.221
/PCIE20_2_TXN: J1.235
/PCIE20_2_TXP: J1.233
/PCIE30_PORT0_REFCLKN: J1.218 R76.2 R78.2
/PCIE30_PORT0_REFCLKP: J1.216 R75.2 R77.2
/PCIE30_PORT0_RX0N: J1.206 J23.41
/PCIE30_PORT0_RX0P: J1.204 J23.43
/PCIE30_PORT0_RX1N: J1.212 J23.29
/PCIE30_PORT0_RX1P: J1.210 J23.31
/PCIE30_PORT0_TX0N: J1.224 J23.47
/PCIE30_PORT0_TX0P: J1.222 J23.49
/PCIE30_PORT0_TX1N: J1.230 J23.35
/PCIE30_PORT0_TX1P: J1.228 J23.37
/PCIE30_PORT1_REFCLKN: J1.260 R72.2 R74.2
/PCIE30_PORT1_REFCLKP: J1.258 R70.2 R73.2
/PCIE30_PORT1_RX2N: J1.236 J23.17
/PCIE30_PORT1_RX2P: J1.234 J23.19
/PCIE30_PORT1_RX3N: J1.242 J23.5
/PCIE30_PORT1_RX3P: J1.240 J23.7
/PCIE30_PORT1_TX2N: J1.248 J23.23
/PCIE30_PORT1_TX2P: J1.246 J23.25
/PCIE30_PORT1_TX3N: J1.254 J23.11
/PCIE30_PORT1_TX3P: J1.252 J23.13
/PCIE_SW: L3.1 U4.2
/PMIC_EXT_EN_OUT: J1.19 U2.5 U3.5 U4.5
/PWRON_L: C43.1 J1.17 R40.1
/RECOVERY: C46.1 J1.101 R43.1
/RESET_L: C44.1 J1.16 R41.1
/SARADC_VIN6_HW_ID2: J1.14
/SD Card/CLK: J1.360 J24.5 U23.5 U23.6
/SD Card/CMD: J24.3 R82.2 U22.2 U22.9
/SD Card/D0: J24.7 R83.2 U23.4 U23.7
/SD Card/D1: J24.8 R84.2 U23.2 U23.9
/SD Card/D2: J24.1 R80.2 U22.5 U22.6
/SD Card/D3: J24.2 R81.2 U22.4 U22.7
/SD Card/DET: J24.9 R85.2 U23.1 U23.10
/SDMMC0_CMD: J1.356 R82.1
/SDMMC0_D0: J1.364 R83.1
/SDMMC0_D1: J1.366 R84.1
/SDMMC0_D2: J1.352 R80.1
/SDMMC0_D3: J1.354 R81.1
/System/BOOT_SARADC: J13.4 R42.2 SW3.1
/System/PWRON_L_IN: J13.6 R40.2 SW1.1 TP1.1
/System/RECOVERY_IN: R43.2 SW4.1
/System/RESET_L_IN: J13.5 R41.2 SW2.1
/System/UART_RX: D5.2 J1.22 J13.2 R46.1
/System/UART_TX: J1.20 J13.3 R47.1
/USB2.0/D1_N: J22.5 U20.11
/USB2.0/D1_P: J22.4 U20.12
/USB2.0/D2_N: J21.5 U20.9
/USB2.0/D2_P: J21.4 U20.10
